# KiCad board CPU09BP7.kicad_pcb
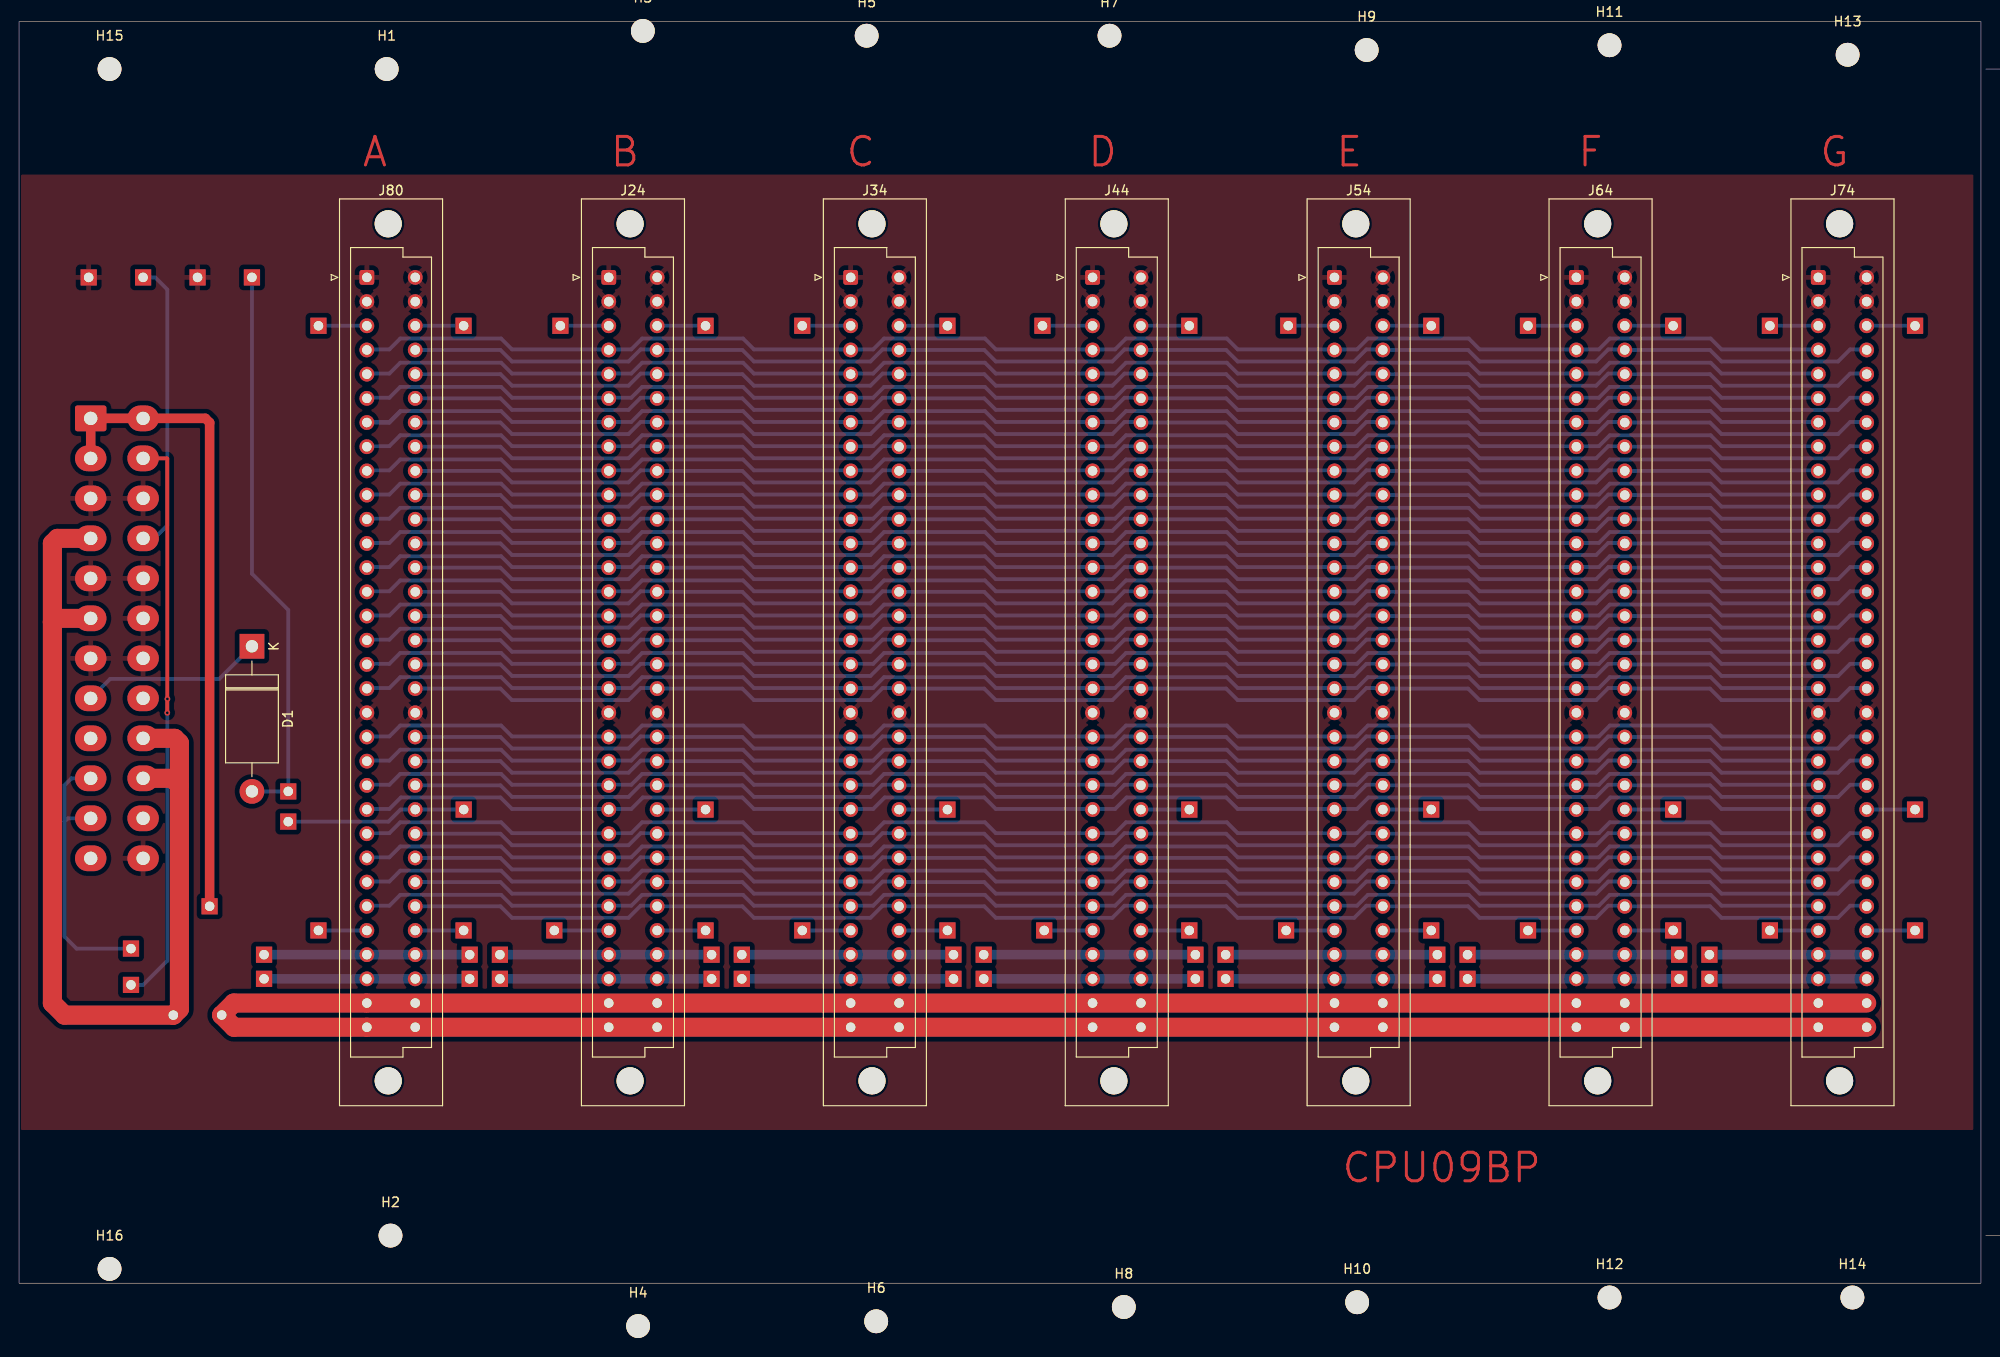
[diagram p0: board, top side]
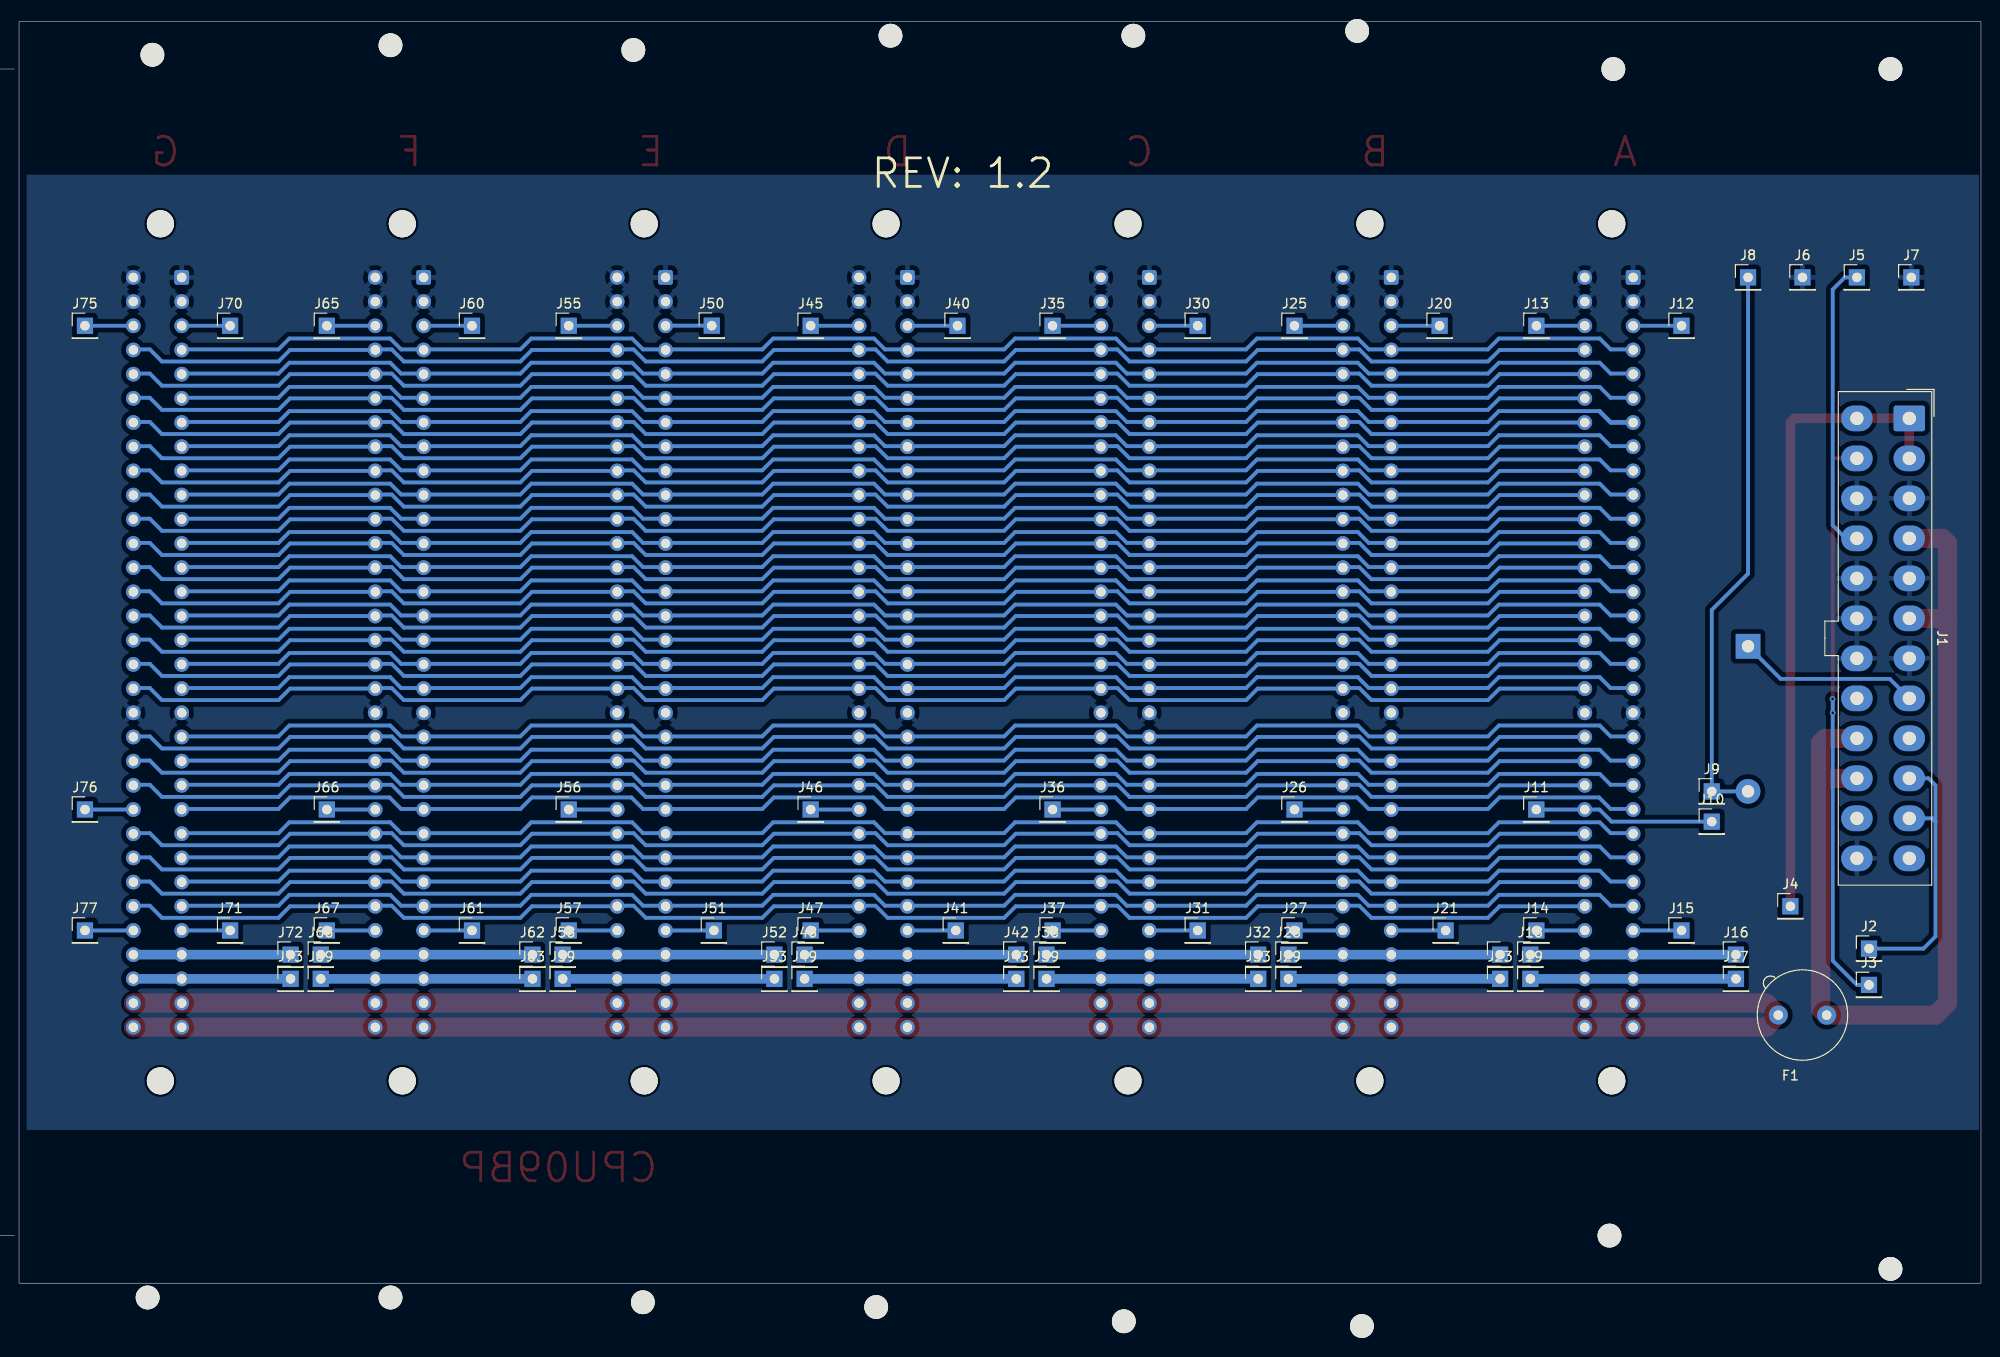
[diagram p1: board, bottom side, seen from below]

Outline 206 x 132.5 mm; copper layers: Top, Bottom. Coordinates in mm from the lower left corner of the outline.
Outline path: rectangle 0,132.5 206,0

## Placement (name value [footprint] x y rotation side)
D1  D_Small_Filled  [D_DO-201AE_P15.24mm_Horizontal]  24.45 66.89 270 top
F1  1A  [Fuseholder_TR5_Littelfuse_No560_No460]  16.2 28.15 0 bottom
H1  M2.5  [MountingHole_2.5mm]  38.6 127.5 0 top
H2  M2.5  [MountingHole_2.5mm]  39 5 0 top
H3  M2.5  [MountingHole_2.5mm]  65.5 131.5 0 top
H4  M2.5  [MountingHole_2.5mm]  65 -4.5 0 top
H5  M2.5  [MountingHole_2.5mm]  89 131 0 top
H6  M2.5  [MountingHole_2.5mm]  90 -4 0 top
H7  M2.5  [MountingHole_2.5mm]  114.5 131 0 top
H8  M2.5  [MountingHole_2.5mm]  116 -2.5 0 top
H9  M2.5  [MountingHole_2.5mm]  141.5 129.5 0 top
H10  M2.5  [MountingHole_2.5mm]  140.5 -2 0 top
H11  M2.5  [MountingHole_2.5mm]  167 130 0 top
H12  M2.5  [MountingHole_2.5mm]  167 -1.5 0 top
H13  M2.5  [MountingHole_2.5mm]  192 129 0 top
H14  M2.5  [MountingHole_2.5mm]  192.5 -1.5 0 top
H15  M2.5  [MountingHole_2.5mm]  9.5 127.5 0 top
H16  M2.5  [MountingHole_2.5mm]  9.5 1.5 0 top
J1  ATX-24  [Molex_Mini-Fit_Jr_5566-24A_2x12_P4.20mm_Vertical]  7.53 90.81 270 bottom
J2  +12V  [PinHeader_1x01_P2.54mm_Vertical]  11.76 35.14 180 bottom
J3  -12V  [PinHeader_1x01_P2.54mm_Vertical]  11.76 31.33 180 bottom
J4  3.3V  [PinHeader_1x01_P2.54mm_Vertical]  20.01 39.58 180 bottom
J5  PSON  [PinHeader_1x01_P2.54mm_Vertical]  13.03 105.62 180 bottom
J6  GND  [PinHeader_1x01_P2.54mm_Vertical]  18.74 105.62 180 bottom
J7  GND  [PinHeader_1x01_P2.54mm_Vertical]  7.31 105.62 180 bottom
J8  ~{RES}  [PinHeader_1x01_P2.54mm_Vertical]  24.45 105.62 180 bottom
J9  ~{RES0}  [PinHeader_1x01_P2.54mm_Vertical]  28.27 51.64 180 bottom
J10  C_23  [PinHeader_1x01_P2.54mm_Vertical]  28.27 48.47 180 bottom
J11  C_23A  [PinHeader_1x01_P2.54mm_Vertical]  46.69 49.74 180 bottom
J12  C_1A  [PinHeader_1x01_P2.54mm_Vertical]  31.44 100.54 180 bottom
J13  C_2A  [PinHeader_1x01_P2.54mm_Vertical]  46.68 100.54 180 bottom
J14  C_29A  [PinHeader_1x01_P2.54mm_Vertical]  46.68 37.04 180 bottom
J15  C_28A  [PinHeader_1x01_P2.54mm_Vertical]  31.44 37.04 180 bottom
J16  ACCA  [PinHeader_1x01_P2.54mm_Vertical]  25.73 34.5 180 bottom
J17  ACCB  [PinHeader_1x01_P2.54mm_Vertical]  25.73 31.96 180 bottom
J18  A29  [PinHeader_1x01_P2.54mm_Vertical]  47.31 34.5 180 bottom
J19  A30  [PinHeader_1x01_P2.54mm_Vertical]  47.31 31.96 180 bottom
J20  C_1B  [PinHeader_1x01_P2.54mm_Vertical]  56.84 100.54 180 bottom
J21  C_28B  [PinHeader_1x01_P2.54mm_Vertical]  56.2 37.04 180 bottom
J22  BCCA  [PinHeader_1x01_P2.54mm_Vertical]  50.49 34.5 180 bottom
J23  BCCB  [PinHeader_1x01_P2.54mm_Vertical]  50.49 31.96 180 bottom
J24  BUS-B  [DIN41612_C_2x32_Female_Vertical_THT]  61.92 105.62 0 top
J25  C_2B  [PinHeader_1x01_P2.54mm_Vertical]  72.08 100.54 180 bottom
J26  C_23B  [PinHeader_1x01_P2.54mm_Vertical]  72.08 49.74 180 bottom
J27  C_29B  [PinHeader_1x01_P2.54mm_Vertical]  72.08 37.04 180 bottom
J28  B29  [PinHeader_1x01_P2.54mm_Vertical]  72.72 34.5 180 bottom
J29  B30  [PinHeader_1x01_P2.54mm_Vertical]  72.72 31.96 180 bottom
J30  C_1C  [PinHeader_1x01_P2.54mm_Vertical]  82.24 100.54 180 bottom
J31  C_28C  [PinHeader_1x01_P2.54mm_Vertical]  82.24 37.04 180 bottom
J32  CCCA  [PinHeader_1x01_P2.54mm_Vertical]  75.89 34.5 180 bottom
J33  CCCB  [PinHeader_1x01_P2.54mm_Vertical]  75.89 31.96 180 bottom
J34  BUS-C  [DIN41612_C_2x32_Female_Vertical_THT]  87.32 105.62 0 top
J35  C_2C  [PinHeader_1x01_P2.54mm_Vertical]  97.48 100.54 180 bottom
J36  C_23C  [PinHeader_1x01_P2.54mm_Vertical]  97.48 49.74 180 bottom
J37  C_29C  [PinHeader_1x01_P2.54mm_Vertical]  97.48 37.04 180 bottom
J38  C29  [PinHeader_1x01_P2.54mm_Vertical]  98.11 34.5 180 bottom
J39  C30  [PinHeader_1x01_P2.54mm_Vertical]  98.11 31.96 180 bottom
J40  C_1D  [PinHeader_1x01_P2.54mm_Vertical]  107.46 100.54 180 bottom
J41  C_28D  [PinHeader_1x01_P2.54mm_Vertical]  107.64 37.04 180 bottom
J42  DCCA  [PinHeader_1x01_P2.54mm_Vertical]  101.29 34.5 180 bottom
J43  DCCB  [PinHeader_1x01_P2.54mm_Vertical]  101.29 31.96 180 bottom
J44  BUS-D  [DIN41612_C_2x32_Female_Vertical_THT]  112.72 105.62 0 top
J45  C_2D  [PinHeader_1x01_P2.54mm_Vertical]  122.88 100.54 180 bottom
J46  C_23D  [PinHeader_1x01_P2.54mm_Vertical]  122.88 49.74 180 bottom
J47  C_29D  [PinHeader_1x01_P2.54mm_Vertical]  122.88 37.04 180 bottom
J48  D29  [PinHeader_1x01_P2.54mm_Vertical]  123.52 34.5 180 bottom
J49  D30  [PinHeader_1x01_P2.54mm_Vertical]  123.52 31.96 180 bottom
J50  C_1E  [PinHeader_1x01_P2.54mm_Vertical]  133.27 100.55 180 bottom
J51  C_28E  [PinHeader_1x01_P2.54mm_Vertical]  133.04 37.04 180 bottom
J52  ECCA  [PinHeader_1x01_P2.54mm_Vertical]  126.69 34.5 180 bottom
J53  ECCB  [PinHeader_1x01_P2.54mm_Vertical]  126.69 31.96 180 bottom
J54  BUS-E  [DIN41612_C_2x32_Female_Vertical_THT]  138.12 105.62 0 top
J55  C_2E  [PinHeader_1x01_P2.54mm_Vertical]  148.28 100.54 180 bottom
J56  C_23E  [PinHeader_1x01_P2.54mm_Vertical]  148.28 49.74 180 bottom
J57  C_29E  [PinHeader_1x01_P2.54mm_Vertical]  148.28 37.04 180 bottom
J58  E29  [PinHeader_1x01_P2.54mm_Vertical]  148.91 34.5 180 bottom
J59  E30  [PinHeader_1x01_P2.54mm_Vertical]  148.91 31.96 180 bottom
J60  C_1F  [PinHeader_1x01_P2.54mm_Vertical]  158.44 100.54 180 bottom
J61  C_28F  [PinHeader_1x01_P2.54mm_Vertical]  158.44 37.04 180 bottom
J62  FCCA  [PinHeader_1x01_P2.54mm_Vertical]  152.09 34.5 180 bottom
J63  FCCB  [PinHeader_1x01_P2.54mm_Vertical]  152.09 31.96 180 bottom
J64  BUS-F  [DIN41612_C_2x32_Female_Vertical_THT]  163.52 105.62 0 top
J65  C_2F  [PinHeader_1x01_P2.54mm_Vertical]  173.68 100.54 180 bottom
J66  C_23F  [PinHeader_1x01_P2.54mm_Vertical]  173.68 49.74 180 bottom
J67  C_29F  [PinHeader_1x01_P2.54mm_Vertical]  173.68 37.04 180 bottom
J68  F29  [PinHeader_1x01_P2.54mm_Vertical]  174.31 34.5 180 bottom
J69  F30  [PinHeader_1x01_P2.54mm_Vertical]  174.31 31.96 180 bottom
J70  C_1G  [PinHeader_1x01_P2.54mm_Vertical]  183.84 100.54 180 bottom
J71  C_28G  [PinHeader_1x01_P2.54mm_Vertical]  183.84 37.04 180 bottom
J72  GCCA  [PinHeader_1x01_P2.54mm_Vertical]  177.49 34.5 180 bottom
J73  GCCB  [PinHeader_1x01_P2.54mm_Vertical]  177.49 31.96 180 bottom
J74  BUS-G  [DIN41612_C_2x32_Female_Vertical_THT]  188.92 105.62 0 top
J75  C_2G  [PinHeader_1x01_P2.54mm_Vertical]  199.08 100.54 180 bottom
J76  C_23G  [PinHeader_1x01_P2.54mm_Vertical]  199.08 49.74 180 bottom
J77  C_29G  [PinHeader_1x01_P2.54mm_Vertical]  199.08 37.04 180 bottom
J80  BUS-A  [DIN41612_C_2x32_Female_Vertical_THT]  36.52 105.62 0 top

## Library data of the parts
D1 = -: Description: Diode, small symbol, filled shape; Sim.Device: D; Sim.Pins: 1=K 2=A; ki_fp_filters: TO-???* *_Diode_* *SingleDiode* D_*
F1 = -: Description: Resettable fuse, polymeric positive temperature coefficient, small symbol; ki_fp_filters: *polyfuse* *PTC*
H1-H16 = -: Description: Mounting Hole without connection; ki_fp_filters: MountingHole*
J1 = -: Datasheet: https://www.intel.com/content/dam/www/public/us/en/documents/guides/power-supply-design-guide-june.pdf#page=33; Description: ATX Power supply 24pins; ki_fp_filters: *Mini?Fit*2x12*Vertical* *Mini?Fit*2x12*Horizontal*
J2-J23 J25-J33 J35-J43 J45-J53 J55-J63 J65-J73 J75-J77 = -: Description: Generic connector, single row, 01x01, script generated (kicad-library-utils/schlib/autogen/connector/); ki_fp_filters: Connector*:*_1x??_*
J24 J34 J44 J54 J64 J74 J80 = -: Description: DIN41612 connector, double row (AC), 02x32, script generated (kicad-library-utils/schlib/autogen/connector/); ki_fp_filters: DIN41612*2x*

## Footprints (pads in the part's own frame, mm; a bottom-side part is the same pattern mirrored in y, then rotated)
D_DO-201AE_P15.24mm_Horizontal
  rect 2.6x2.6 hole 1.3: 1(0,0)
  oval 2.6x2.6 hole 1.3: 2(15.24,0)
DIN41612_C_2x32_Female_Vertical_THT
  round 2.85 hole 2.85 unplated: (2.24,5.63) (2.24,-84.37)
  rrect 1.55x1.55 hole 1: a1(0,0)
  round 1.55 hole 1: a2(0,-2.54) a3(0,-5.08) a4(0,-7.62) a5(0,-10.16) a6(0,-12.7) a7(0,-15.24) a8(0,-17.78) a9(0,-20.32) a10(0,-22.86) a11(0,-25.4) a12(0,-27.94) a13(0,-30.48) a14(0,-33.02) a15(0,-35.56) a16(0,-38.1) a17(0,-40.64) a18(0,-43.18) a19(0,-45.72) a20(0,-48.26) a21(0,-50.8) a22(0,-53.34) a23(0,-55.88) a24(0,-58.42) a25(0,-60.96) a26(0,-63.5) a27(0,-66.04) a28(0,-68.58) a29(0,-71.12) a30(0,-73.66) a31(0,-76.2) a32(0,-78.74) c1(5.08,0) c2(5.08,-2.54) c3(5.08,-5.08) c4(5.08,-7.62) c5(5.08,-10.16) c6(5.08,-12.7) c7(5.08,-15.24) c8(5.08,-17.78) c9(5.08,-20.32) c10(5.08,-22.86) c11(5.08,-25.4) c12(5.08,-27.94) c13(5.08,-30.48) c14(5.08,-33.02) c15(5.08,-35.56) c16(5.08,-38.1) c17(5.08,-40.64) c18(5.08,-43.18) c19(5.08,-45.72) c20(5.08,-48.26) c21(5.08,-50.8) c22(5.08,-53.34) c23(5.08,-55.88) c24(5.08,-58.42) c25(5.08,-60.96) c26(5.08,-63.5) c27(5.08,-66.04) c28(5.08,-68.58) c29(5.08,-71.12) c30(5.08,-73.66) c31(5.08,-76.2) c32(5.08,-78.74)
Fuseholder_TR5_Littelfuse_No560_No460
  round 2 hole 1: 1(0,0) 2(5.08,-0.01)
Molex_Mini-Fit_Jr_5566-24A_2x12_P4.20mm_Vertical
  rrect 2.7x3.3 hole 1.4: 1(0,0)
  oval 2.7x3.3 hole 1.4: 2(4.2,0) 3(8.4,0) 4(12.6,0) 5(16.8,0) 6(21,0) 7(25.2,0) 8(29.4,0) 9(33.6,0) 10(37.8,0) 11(42,0) 12(46.2,0) 13(0,-5.5) 14(4.2,-5.5) 15(8.4,-5.5) 16(12.6,-5.5) 17(16.8,-5.5) 18(21,-5.5) 19(25.2,-5.5) 20(29.4,-5.5) 21(33.6,-5.5) 22(37.8,-5.5) 23(42,-5.5) 24(46.2,-5.5)
MountingHole_2.5mm
  round 2.5 hole 2.5 unplated: (0,0)
PinHeader_1x01_P2.54mm_Vertical
  rect 1.7x1.7 hole 1: 1(0,0)

## Nets
+5V: F1.2 J24.a31 J24.a32 J24.c31 J24.c32 J34.a31 J34.a32 J34.c31 J34.c32 J44.a31 J44.a32 J44.c31 J44.c32 J54.a31 J54.a32 J54.c31 J54.c32 J64.a31 J64.a32 J64.c31 J64.c32 J74.a31 J74.a32 J74.c31 J74.c32 J80.a31 J80.a32 J80.c31 J80.c32
GND: J1.3 J1.5 J1.7 J1.15 J1.17 J1.18 J1.19 J1.24 J6.1 J7.1 J24.a1 J24.a2 J24.a19 J24.c1 J24.c2 J24.c19 J34.a1 J34.a2 J34.a19 J34.c1 J34.c2 J34.c19 J44.a1 J44.a2 J44.a19 J44.c1 J44.c2 J44.c19 J54.a1 J54.a2 J54.a19 J54.c1 J54.c2 J54.c19 J64.a1 J64.a2 J64.a19 J64.c1 J64.c2 J64.c19 J74.a1 J74.a2 J74.a19 J74.c1 J74.c2 J74.c19 J80.a1 J80.a2 J80.a19 J80.c1 J80.c2 J80.c19
/a22: J24.a22 J34.a22 J44.a22 J54.a22 J64.a22 J74.a22 J80.a22
/a24: J24.a24 J34.a24 J44.a24 J54.a24 J64.a24 J74.a24 J80.a24
/a26: J24.a26 J34.a26 J44.a26 J54.a26 J64.a26 J74.a26 J80.a26
/B_BA: J24.c22 J34.c22 J44.c22 J54.c22 J64.c22 J74.c22 J80.c22
/B_E: J24.a20 J34.a20 J44.a20 J54.a20 J64.a20 J74.a20 J80.a20
/B_MR: J24.c24 J34.c24 J44.c24 J54.c24 J64.c24 J74.c24 J80.c24
/B_Q: J24.a23 J34.a23 J44.a23 J54.a23 J64.a23 J74.a23 J80.a23
/BA0: J24.a9 J34.a9 J44.a9 J54.a9 J64.a9 J74.a9 J80.a9
/BA1: J24.c9 J34.c9 J44.c9 J54.c9 J64.c9 J74.c9 J80.c9
/BA2: J24.a10 J34.a10 J44.a10 J54.a10 J64.a10 J74.a10 J80.a10
/BA3: J24.c10 J34.c10 J44.c10 J54.c10 J64.c10 J74.c10 J80.c10
/BA4: J24.a11 J34.a11 J44.a11 J54.a11 J64.a11 J74.a11 J80.a11
/BA5: J24.c11 J34.c11 J44.c11 J54.c11 J64.c11 J74.c11 J80.c11
/BA6: J24.a12 J34.a12 J44.a12 J54.a12 J64.a12 J74.a12 J80.a12
/BA7: J24.c12 J34.c12 J44.c12 J54.c12 J64.c12 J74.c12 J80.c12
/BA8: J24.a13 J34.a13 J44.a13 J54.a13 J64.a13 J74.a13 J80.a13
/BA9: J24.c13 J34.c13 J44.c13 J54.c13 J64.c13 J74.c13 J80.c13
/BA10: J24.a14 J34.a14 J44.a14 J54.a14 J64.a14 J74.a14 J80.a14
/BA11: J24.c14 J34.c14 J44.c14 J54.c14 J64.c14 J74.c14 J80.c14
/BA12: J24.a15 J34.a15 J44.a15 J54.a15 J64.a15 J74.a15 J80.a15
/BA13: J24.c15 J34.c15 J44.c15 J54.c15 J64.c15 J74.c15 J80.c15
/BA14: J24.a16 J34.a16 J44.a16 J54.a16 J64.a16 J74.a16 J80.a16
/BA15: J24.c16 J34.c16 J44.c16 J54.c16 J64.c16 J74.c16 J80.c16
/BA16: J24.a17 J34.a17 J44.a17 J54.a17 J64.a17 J74.a17 J80.a17
/BA17: J24.c17 J34.c17 J44.c17 J54.c17 J64.c17 J74.c17 J80.c17
/BA18: J24.a18 J34.a18 J44.a18 J54.a18 J64.a18 J74.a18 J80.a18
/BA19: J24.c18 J34.c18 J44.c18 J54.c18 J64.c18 J74.c18 J80.c18
/BD0: J24.a5 J34.a5 J44.a5 J54.a5 J64.a5 J74.a5 J80.a5
/BD1: J24.c5 J34.c5 J44.c5 J54.c5 J64.c5 J74.c5 J80.c5
/BD2: J24.a6 J34.a6 J44.a6 J54.a6 J64.a6 J74.a6 J80.a6
/BD3: J24.c6 J34.c6 J44.c6 J54.c6 J64.c6 J74.c6 J80.c6
/BD4: J24.a7 J34.a7 J44.a7 J54.a7 J64.a7 J74.a7 J80.a7
/BD5: J24.c7 J34.c7 J44.c7 J54.c7 J64.c7 J74.c7 J80.c7
/BD6: J24.a8 J34.a8 J44.a8 J54.a8 J64.a8 J74.a8 J80.a8
/BD7: J24.c8 J34.c8 J44.c8 J54.c8 J64.c8 J74.c8 J80.c8
/c25: J24.c25 J34.c25 J44.c25 J54.c25 J64.c25 J74.c25 J80.c25
/c27: J24.c27 J34.c27 J44.c27 J54.c27 J64.c27 J74.c27 J80.c27
/DIV3: J15.1 J80.a28
/DIV4: J24.a4 J34.a4 J44.a4 J54.a4 J64.a4 J74.a4 J80.a4
/DIV5: J12.1 J80.a3
/DIV6: J13.1 J80.c3
/DIV7: J14.1 J80.c28
/RBAUD: J17.1 J19.1 J80.a30 J80.c30
/~{B_HLT}: J24.a25 J34.a25 J44.a25 J54.a25 J64.a25 J74.a25 J80.a25
/~{B_IRQ}: J24.c26 J34.c26 J44.c26 J54.c26 J64.c26 J74.c26 J80.c26
/~{B_NMI}: J24.a27 J34.a27 J44.a27 J54.a27 J64.a27 J74.a27 J80.a27
/~{B_RES}: J24.a21 J34.a21 J44.a21 J54.a21 J64.a21 J74.a21 J80.a21
/~{B_RW}: J24.c20 J34.c20 J44.c20 J54.c20 J64.c20 J74.c20 J80.c20
/~{B_VMA}: J24.c21 J34.c21 J44.c21 J54.c21 J64.c21 J74.c21 J80.c21
/~{EXT}: J24.c4 J34.c4 J44.c4 J54.c4 J64.c4 J74.c4 J80.c4
/~{RES}: J10.1 J11.1 J80.c23
Net-(D1-A): D1.2 J8.1 J9.1
Net-(D1-K): D1.1 J1.8
Net-(F1-Pad1): F1.1 J1.4 J1.6 J1.21 J1.22 J1.23
Net-(J1--12V): J1.14 J3.1
Net-(J1-PS_ON#): J1.16 J5.1
Net-(J2-Pin_1): J1.10 J1.11 J2.1
Net-(J4-Pin_1): J1.1 J1.2 J1.12 J1.13 J4.1
Net-(J16-Pin_1): J16.1 J18.1 J80.a29 J80.c29
Net-(J20-Pin_1): J20.1 J24.a3
Net-(J21-Pin_1): J21.1 J24.a28
Net-(J22-Pin_1): J22.1 J24.a29 J24.c29 J28.1
Net-(J23-Pin_1): J23.1 J24.a30 J24.c30 J29.1
Net-(J24-Pin_c3): J24.c3 J25.1
Net-(J24-Pin_c23): J24.c23 J26.1